# Altium PCB ESP32 WROVER Breakout.PcbDoc
Units mm, origin at the board's own origin, x right, y up, seen from the top; angles counter-clockwise.
Board outline 25.99 x 41.64 mm, 2 copper layers (Top Layer, Bottom Layer); 3 components, 28 nets, 71 pads, 29 vias.
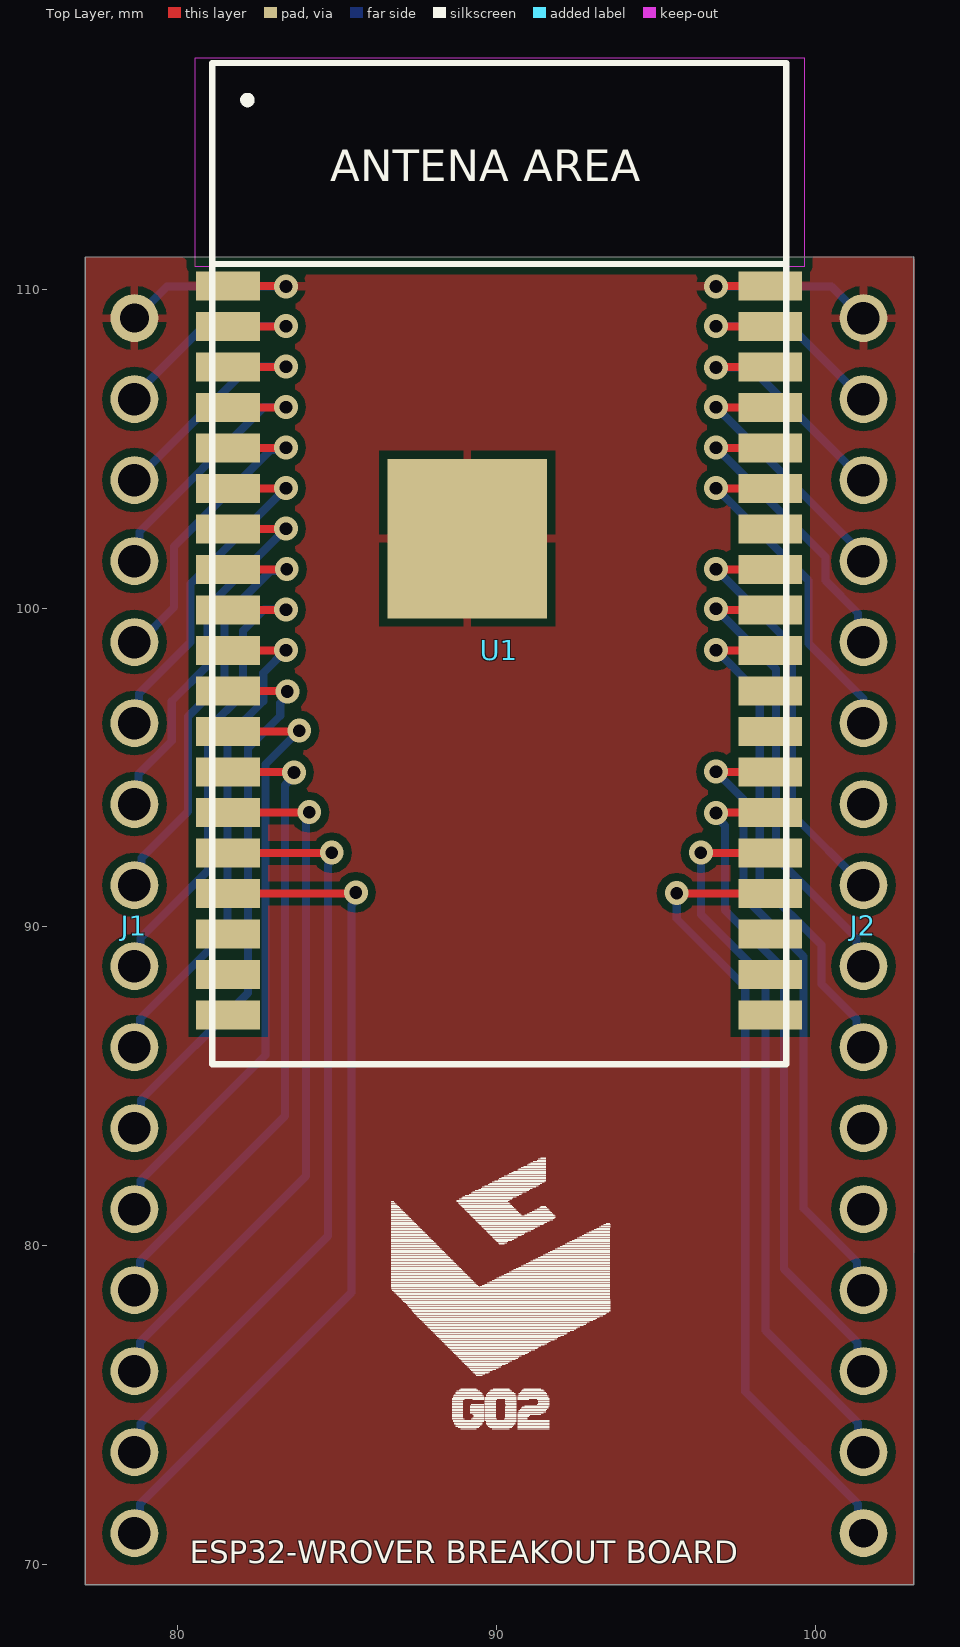
[diagram p0: Top Layer view]
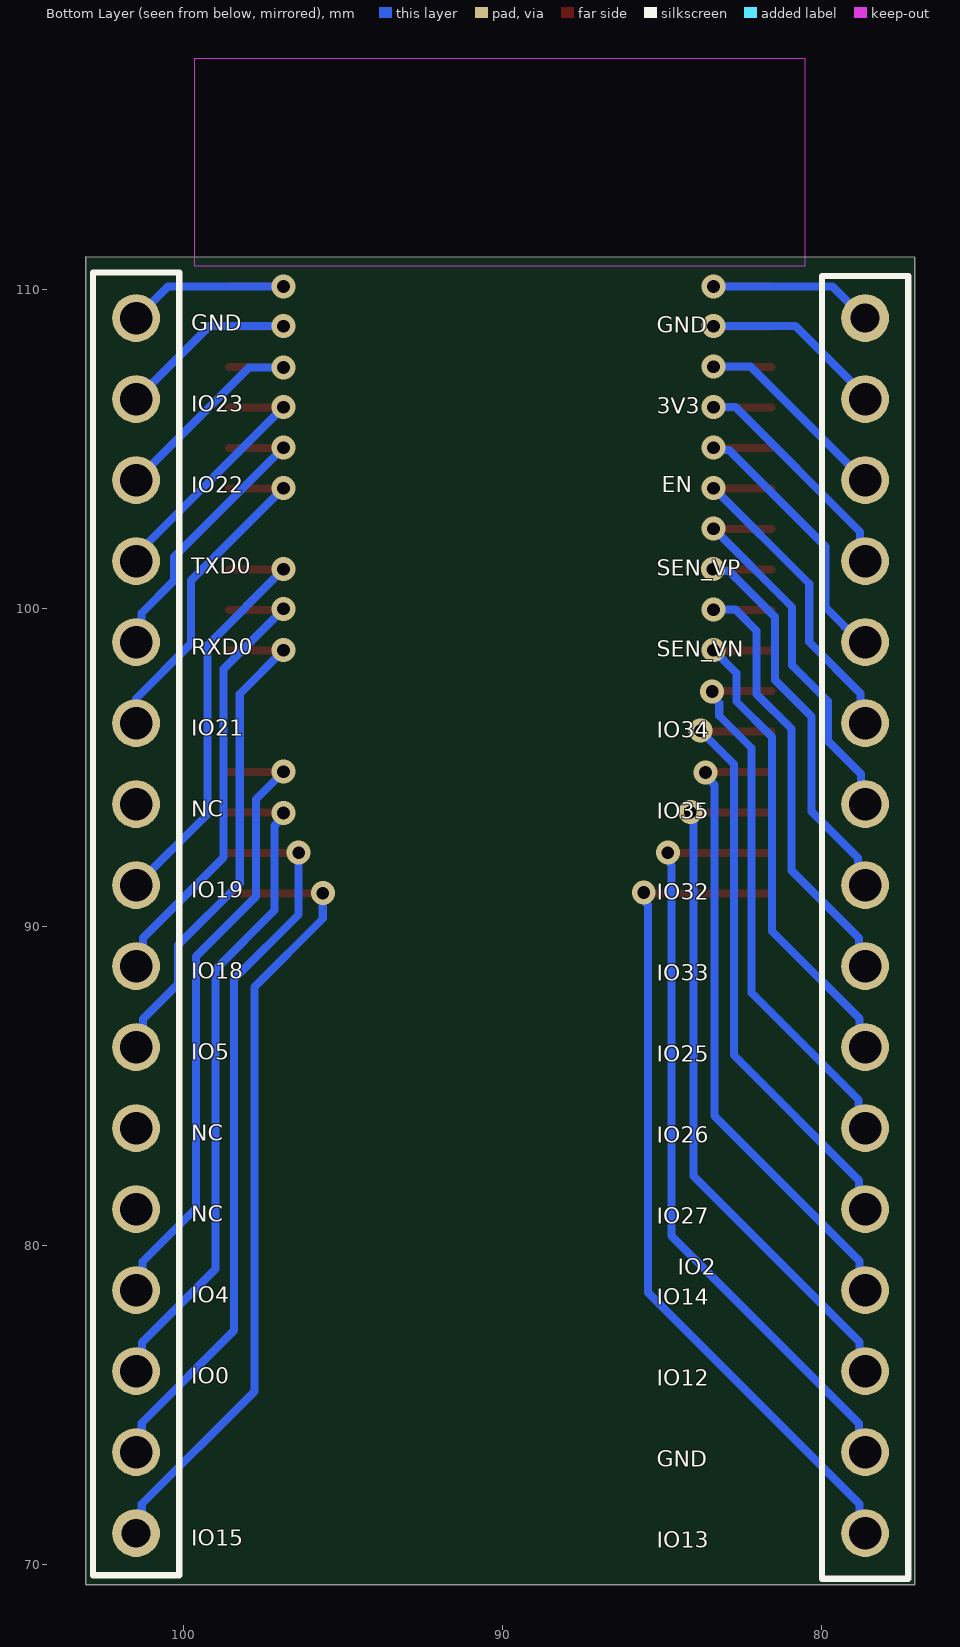
[diagram p1: Bottom Layer view, seen from below]
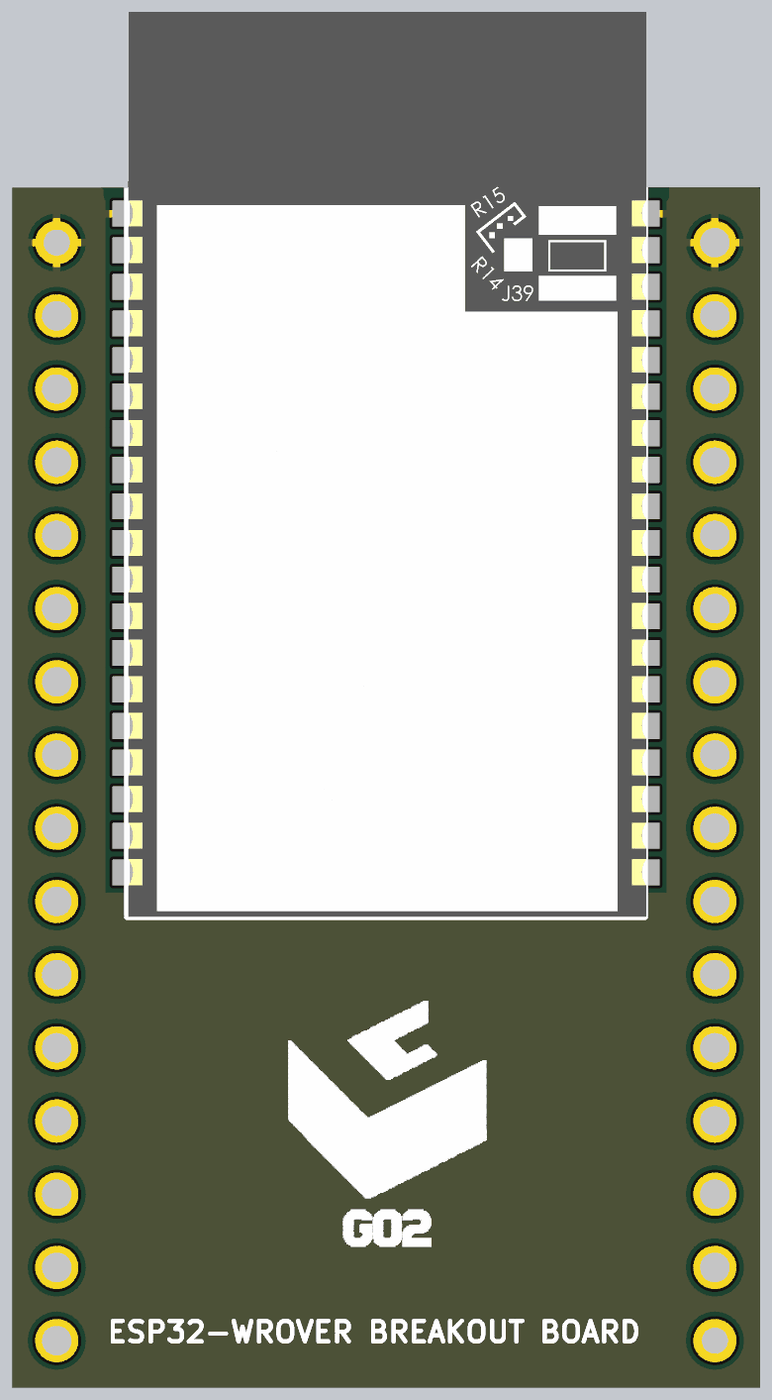
[diagram p2: 3D render of the assembled board from above, using the file's embedded part models]

## Layer stack, top to bottom
Top Solder: solder mask 0.0102, Solder Resist, Dk 3.5
Top Layer: signal copper 0.0356
Dielectric 1: dielectric 0.32, FR-4, Dk 4.8
Bottom Layer: signal copper 0.0356
Bottom Solder: solder mask 0.0102, Solder Resist, Dk 3.5

## Board outline
77.089,110.998 77.089,69.367 103.073,69.367 103.073,111.005 103.077,111.01

## Design rules (kind name [scope] priority, off if disabled: settings)
Clearance [All] p1: gap=0.254 ignorepadtopadclearanceinfootprint=FALSE except(0: Arc-Hole Track-Hole SMDPad-Hole THPad-Hole Via-Hole Fill-Hole Poly-Hole Region-Hole Text-Hole)
PolygonConnect [All] p1: connectstyle=Relief reliefconductorwidth=0.254 reliefentries=4 polygonreliefangle="90 Angle" airgapwidth=0.254
RoomDefinition "ESP32-WROVER Dev Board" [InComponentClass('ESP32-WROVER Dev Board')] p1: confinementstyle=ConfineIn formatcopy=TRUE lockcomponents=FALSE outline 77.089,69.367 103.064,69.367 103.064,117.297 77.089,117.297
RoutingVias [All] p1: holewidth=0.711 width=1.27 viastyle="Through Hole" minholewidth=0.3 minwidth=0.6 maxholewidth=0.711 maxwidth=1.27
SolderMaskExpansion [All] p1: expansion=0.102 istentingtop=FALSE
Width [All] p1: maxlimit=0.254 minlimit=0.254 preferedwidth=0.254
30 further rules are at their usual default settings.

## Components (designator, comment, footprint, x,y, rotation, side; value= is the part's Value field where it differs from the comment)
J1 "CONN HEADER 16POS" "CONN HEADER 16POS" 78.638,91.313 r270 top
J2 "CONN HEADER 16POS" "CONN HEADER 16POS" 101.498,88.773 r90 top
U1 "ESP32-WROVER-E (8MB)" "ESP32-WROVER-E (8MB)" 90.075,101.39 r0 top

## Footprints (in the part's own frame and the unit in brackets; to place one, negate y for a bottom-side part, rotate by r counter-clockwise, add the part's x,y. Pads: shape width x height; smd on the part's side, far side on the other; paste and mask are expansions set on the pad)
"CONN HEADER 16POS" [mm]
  round 1.5 hole 0.9: 1(-17.78,0)
  round 1.5 hole 1.02: 2(-15.24,0) 3(-12.7,0) 4(-10.16,0) 5(-7.62,0) 6(-5.08,0) 7(-2.54,0) 8(0,0) 9(2.54,0) 10(5.08,0) 11(7.62,0) 12(10.16,0) 13(12.7,0) 14(15.24,0) 15(17.78,0) 16(20.32,0)
  body extent -18.99,-1.25 21.65,1.25, height 2.7
"ESP32-WROVER-E (8MB)" [mm]
  rect 2x0.9 smd: 1(-8.5,8.71) 2(-8.5,7.44) 3(-8.5,6.17) 4(-8.5,4.9) 5(-8.5,3.63) 6(-8.5,2.36) 7(-8.5,1.09) 8(-8.5,-0.18) 9(-8.5,-1.45) 10(-8.5,-2.72) 11(-8.5,-3.99) 12(-8.5,-5.26) 13(-8.5,-6.53) 14(-8.5,-7.8) 15(-8.5,-9.07) 16(-8.5,-10.34) 17(-8.5,-11.61) 18(-8.5,-12.88) 19(-8.5,-14.15) 20(8.5,-14.15) 21(8.5,-12.88) 22(8.5,-11.61) 23(8.5,-10.34) 24(8.5,-9.07) 25(8.5,-7.8) 26(8.5,-6.53) 27(8.5,-5.26) 28(8.5,-3.99) 29(8.5,-2.72) 30(8.5,-1.45) 31(8.5,-0.18) 32(8.5,1.09) 33(8.5,2.36) 34(8.5,3.63) 35(8.5,4.9) 36(8.5,6.17) 37(8.5,7.44) 38(8.5,8.71)
  rect 5x5 smd: 39(-1,0.79)
  Keep-Out Layer region: -9.55,9.325 9.576,9.325 9.576,15.85 -9.55,15.85
  silkscreen extent -9,-15.7 9,15.7, body extent -8.95,-15.69 9.05,15.71, height 3.3

## Via types
v1: diameter 0.75, hole 0.4, Top Layer to Bottom Layer, tented both sides, 29 vias

## Nets (pads, with @x,y where several pads share a name; then routed paths per layer and width w, separated by ;. In a path a pad name is that pad's centre, name@x,y a point inside that pad or via, vN(x,y) a via of type N, cw(c..) or ccw(c..) an arc to the next point about the centre after c; other vN are vias at no path point)
GND: J1.1 J2.16 U1.1 U1.38 U1.39 | length 13.7
  Top Layer w0.254: U1.1 83.374,110.1 v1(83.388,110.086) ; v1(96.876,110.086) 96.89,110.1 U1.38
  Bottom Layer w0.254: J1.1@78.646,109.068 79.664,110.086 v1(83.388,110.086) ; v1(96.876,110.086) 100.493,110.086 J2.16@101.502,109.076
NetJ1_2: J1.2 U1.2 | length 7.6
  Top Layer w0.254: U1.2 83.379,108.83 v1(83.388,108.839)
  Bottom Layer w0.254: J1.2@78.646,106.528 78.646,106.662 80.823,108.839 v1(83.388,108.839)
NetJ1_3: J1.3 U1.3 | length 8
  Top Layer w0.254: U1.3 83.379,107.56 v1(83.388,107.569)
  Bottom Layer w0.254: J1.3@78.646,103.988 82.227,107.569 v1(83.388,107.569)
NetJ1_4: J1.4 U1.4 | length 9
  Top Layer w0.254: U1.4 83.379,106.29 v1(83.388,106.299)
  Bottom Layer w0.254: J1.4@78.646,101.448 78.794,101.596 78.794,102.391 82.702,106.299 v1(83.388,106.299)
NetJ1_5: J1.5 U1.5 | length 10.2
  Top Layer w0.254: U1.5 83.379,105.02 v1(83.388,105.029)
  Bottom Layer w0.254: J1.5@78.646,98.908 78.765,98.908 79.883,100.025 79.883,101.93 82.904,104.952 83.311,104.952 v1(83.388,105.029)
NetJ1_6: J1.6 U1.6 | length 11.2
  Top Layer w0.254: U1.6 83.379,103.75 v1(83.388,103.759)
  Bottom Layer w0.254: J1.6@78.646,96.368 78.782,96.503 78.782,97.324 80.391,98.933 80.391,100.762 v1(83.388,103.759)
NetJ1_7: J1.7 U1.7 | length 12.4
  Top Layer w0.254: U1.7 83.379,102.48 v1(83.388,102.489)
  Bottom Layer w0.254: J1.7@78.646,93.828 78.769,93.95 78.769,94.796 79.807,95.834 79.807,97.079 80.924,98.196 80.924,100.025 v1(83.388,102.489)
NetJ1_8: J1.8 U1.8 | length 14
  Top Layer w0.254: U1.8 83.405,101.21 v1(83.414,101.219)
  Bottom Layer w0.254: J1.8@78.646,91.288 78.858,91.499 78.858,92.167 80.315,93.624 80.315,96.596 81.458,97.739 81.458,99.72 82.904,101.167 83.362,101.167 v1(83.414,101.219)
NetJ1_9: J1.9 U1.9 | length 15.4
  Top Layer w0.254: U1.9 83.379,99.94 v1(83.388,99.949)
  Bottom Layer w0.254: J1.9@78.646,88.748 78.832,88.934 78.832,89.653 80.95,91.77 80.95,96.215 82.042,97.307 82.042,99.289 82.702,99.949 v1(83.388,99.949)
NetJ1_10: J1.10 U1.10 | length 16.3
  Top Layer w0.254: U1.10 83.379,98.67 v1(83.388,98.679)
  Bottom Layer w0.254: J1.10@78.646,86.208 78.82,86.381 78.82,87.125 81.559,89.865 81.559,95.961 82.677,97.079 82.677,97.968 v1(83.388,98.679)
NetJ1_11: J1.11 U1.11 | length 17.6
  Top Layer w0.254: U1.11 83.417,97.4 v1(83.433,97.384)
  Bottom Layer w0.254: J1.11@78.646,83.668 78.841,83.863 78.841,84.582 82.194,87.935 82.194,95.606 83.21,96.622 83.21,97.027 83.433,97.249 v1(83.433,97.384)
NetJ1_12: J1.12 U1.12 | length 19.4
  Top Layer w0.254: U1.12 83.78,96.13 v1(83.806,96.156)
  Bottom Layer w0.254: J1.12@78.646,81.128 78.829,81.31 78.829,82.054 82.753,85.979 82.753,95.103 v1(83.806,96.156)
NetJ1_13: J1.13 U1.13 | length 20.4
  Top Layer w0.254: U1.13 83.626,94.86 v1(83.642,94.844)
  Bottom Layer w0.254: J1.13@78.646,78.588 78.816,78.757 78.816,79.527 83.363,84.074 83.363,94.447 83.642,94.726 v1(83.642,94.844)
NetJ1_14: J1.14 U1.14 | length 22.4
  Top Layer w0.254: U1.14 84.11,93.59 v1(84.119,93.599)
  Bottom Layer w0.254: J1.14@78.655,76.057 78.816,76.217 78.816,76.987 84.023,82.194 84.023,93.202 ; 84.024,93.203 84.024,93.504 v1(84.119,93.599)
NetJ1_15: J1.15 U1.15 | length 24.6
  Top Layer w0.254: U1.15 84.815,92.32 v1(84.824,92.329)
  Bottom Layer w0.254: J1.15@78.646,73.508 78.829,73.69 78.829,74.434 84.709,80.315 84.709,91.932 84.729,91.952 84.729,92.234 v1(84.824,92.329)
NetJ1_16: J1.16 U1.16 | length 27
  Top Layer w0.254: U1.16 85.546,91.05 v1(85.58,91.084)
  Bottom Layer w0.254: J1.16@78.646,70.968 78.816,71.137 78.816,71.907 85.446,78.537 85.446,90.688 85.485,90.727 85.485,90.989 v1(85.58,91.084)
NetJ2_1: J2.1 U1.23 | length 25.4
  Top Layer w0.254: v1(95.643,91.059) 95.652,91.05 U1.23
  Bottom Layer w0.254: v1(95.643,91.059) 95.643,90.26 97.79,88.113 97.79,75.438 101.321,71.907 101.321,71.17 J2.1
NetJ2_2: J2.2 U1.24 | length 23.1
  Top Layer w0.254: v1(96.399,92.329) 96.408,92.32 U1.24
  Bottom Layer w0.254: v1(96.399,92.329) 96.399,90.393 98.425,88.367 98.425,77.343 101.321,74.447 101.321,73.71 J2.2
NetJ2_3: J2.3 U1.25 | length 21.1
  Top Layer w0.254: v1(96.876,93.574) 96.892,93.59 U1.25
  Bottom Layer w0.254: v1(96.876,93.574) 96.876,93.456 97.155,93.177 97.155,90.526 99.009,88.671 99.009,79.273 101.308,76.974 101.308,76.25 J2.3@101.502,76.056
NetJ2_4: J2.4 U1.26 | length 19.9
  Top Layer w0.254: v1(96.876,94.869) 96.885,94.86 U1.26
  Bottom Layer w0.254: v1(96.876,94.869) 97.739,94.005 97.739,90.957 99.619,89.078 99.619,81.178 101.296,79.502 101.296,78.803 J2.4@101.502,78.596
NetJ2_7: J2.7 U1.29 | length 16.1
  Top Layer w0.254: v1(96.876,98.679) 96.885,98.67 U1.29
  Bottom Layer w0.254: v1(96.876,98.679) 98.247,97.307 98.247,91.364 100.178,89.433 100.178,88.214 101.283,87.109 101.283,86.436 J2.7@101.502,86.216
NetJ2_8: J2.8 U1.30 | length 14.8
  Top Layer w0.254: v1(96.876,99.974) 96.91,99.94 U1.30
  Bottom Layer w0.254: v1(96.876,99.974) 98.755,98.095 98.755,92.177 101.283,89.649 101.283,88.976 J2.8@101.502,88.756
NetJ2_9: J2.9 U1.31 | length 13.5
  Top Layer w0.254: v1(96.876,101.219) 96.885,101.21 U1.31
  Bottom Layer w0.254: v1(96.876,101.219) 99.263,98.831 99.263,93.535 J2.9@101.502,91.296
NetJ2_11: J2.11 U1.33 | length 15.4
  Top Layer w0.254: v1(96.876,103.759) 96.885,103.75 U1.33
  Bottom Layer w0.254: v1(96.876,103.759) 99.773,100.861 ; J2.11@101.502,96.376 101.502,97.157 ; 99.773,98.886 99.773,100.861 ; 99.773,98.886 101.502,97.157 ; 99.773,98.886 99.773,100.861 ; 99.773,98.886 101.502,97.157
NetJ2_12: J2.12 U1.34 | length 9.7
  Top Layer w0.254: v1(96.876,105.029) 96.885,105.02 U1.34
  Bottom Layer w0.254: v1(96.876,105.029) 100.305,101.6 100.305,100.863 101.331,99.837 101.331,99.088 J2.12@101.502,98.916
NetJ2_13: J2.13 U1.35 | length 8.5
  Top Layer w0.254: v1(96.876,106.299) 96.885,106.29 U1.35
  Bottom Layer w0.254: v1(96.876,106.299) 101.502,101.672 J2.13@101.502,101.456
NetJ2_14: J2.14 U1.36 | length 7.8
  Top Layer w0.254: v1(96.876,107.544) 96.892,107.56 U1.36
  Bottom Layer w0.254: v1(96.876,107.544) 97.955,107.544 J2.14@101.502,103.996
NetJ2_15: J2.15 U1.37 | length 7.3
  Top Layer w0.254: v1(96.876,108.839) 96.885,108.83 U1.37
  Bottom Layer w0.254: v1(96.876,108.839) 99.2,108.839 J2.15@101.502,106.536
pads on no net: J2.5 J2.6 J2.10 U1.17 U1.18 U1.19 U1.20 U1.21 U1.22 U1.27 U1.28 U1.32

## Polygon pours and split planes (outlines as drawn)
GND on Top Layer "GND_L01_P000" (solid, remove dead copper, pour order 0): 77.089,110.998 77.089,69.367 103.073,69.367 103.099,111.023

## Silkscreen, mask and mechanical layers (free items; w line width, h text height)
Top Overlay:
  drawing of 411 lines, arcs and shapes, not listed
  text "ESP32-WROVER BREAKOUT BOARD" at 80.366,70.053 h0.71
Bottom Overlay:
  text "GND" at 99.775,108.695 h0.51
  text "GND" at 85.174,108.636 h0.51
  text "IO23" at 99.775,106.155 h0.51
  text "3V3" at 85.174,106.096 h0.51
  text "EN" at 85.014,103.632 h0.51
  text "IO22" at 99.775,103.615 h0.51
  text "TXD0" at 99.775,101.075 h0.51
  text "SEN_VP" at 85.174,101.016 h0.51
  text "RXD0" at 99.775,98.535 h0.51
  text "SEN_VN" at 85.174,98.476 h0.51
  text "IO21" at 99.775,95.995 h0.51
  text "IO34" at 85.174,95.936 h0.51
  text "NC" at 99.775,93.455 h0.51
  text "IO35" at 85.174,93.396 h0.51
  text "IO19" at 99.775,90.915 h0.51
  text "IO32" at 85.174,90.856 h0.51
  text "IO18" at 99.775,88.375 h0.51
  text "IO33" at 85.174,88.316 h0.51
  text "IO5" at 99.775,85.835 h0.51
  text "IO25" at 85.174,85.776 h0.51
  text "NC" at 99.775,83.295 h0.51
  text "IO26" at 85.174,83.236 h0.51
  text "NC" at 99.775,80.755 h0.51
  text "IO27" at 85.174,80.696 h0.51
  text "IO2" at 84.506,79.096 h0.51
  text "IO4" at 99.775,78.215 h0.51
  text "IO14" at 85.174,78.156 h0.51
  text "IO0" at 99.775,75.675 h0.51
  text "IO12" at 85.174,75.616 h0.51
  text "GND" at 85.174,73.076 h0.51
  text "IO15" at 99.775,70.595 h0.51
  text "IO13" at 85.174,70.536 h0.51
Mechanical 1:
  lines w0.127: 103.099,110.998 103.099,110.975 ; 103.099,110.975 103.074,110.999 77.086,110.999 77.086,69.37 77.089,69.367 103.099,69.367 103.099,110.975

## Text inside footprints (layer, text, board x,y; h text height)
U1: Top Overlay "ANTENA AREA" at 84.786,113.385 h1